# Altium PCB Copy of Mother_board_SSL2018.PcbDoc (part 2 of 2)
Units mm, origin at the board's own origin, x right, y up, seen from the top; angles counter-clockwise.
Board outline 169 x 150.57 mm, 2 copper layers (Top Layer, Bottom Layer), stack 1.57 mm thick; 99 components, 102 nets, 439 pads, 117 vias.
Unrouted connection lines stored in the file: 4.
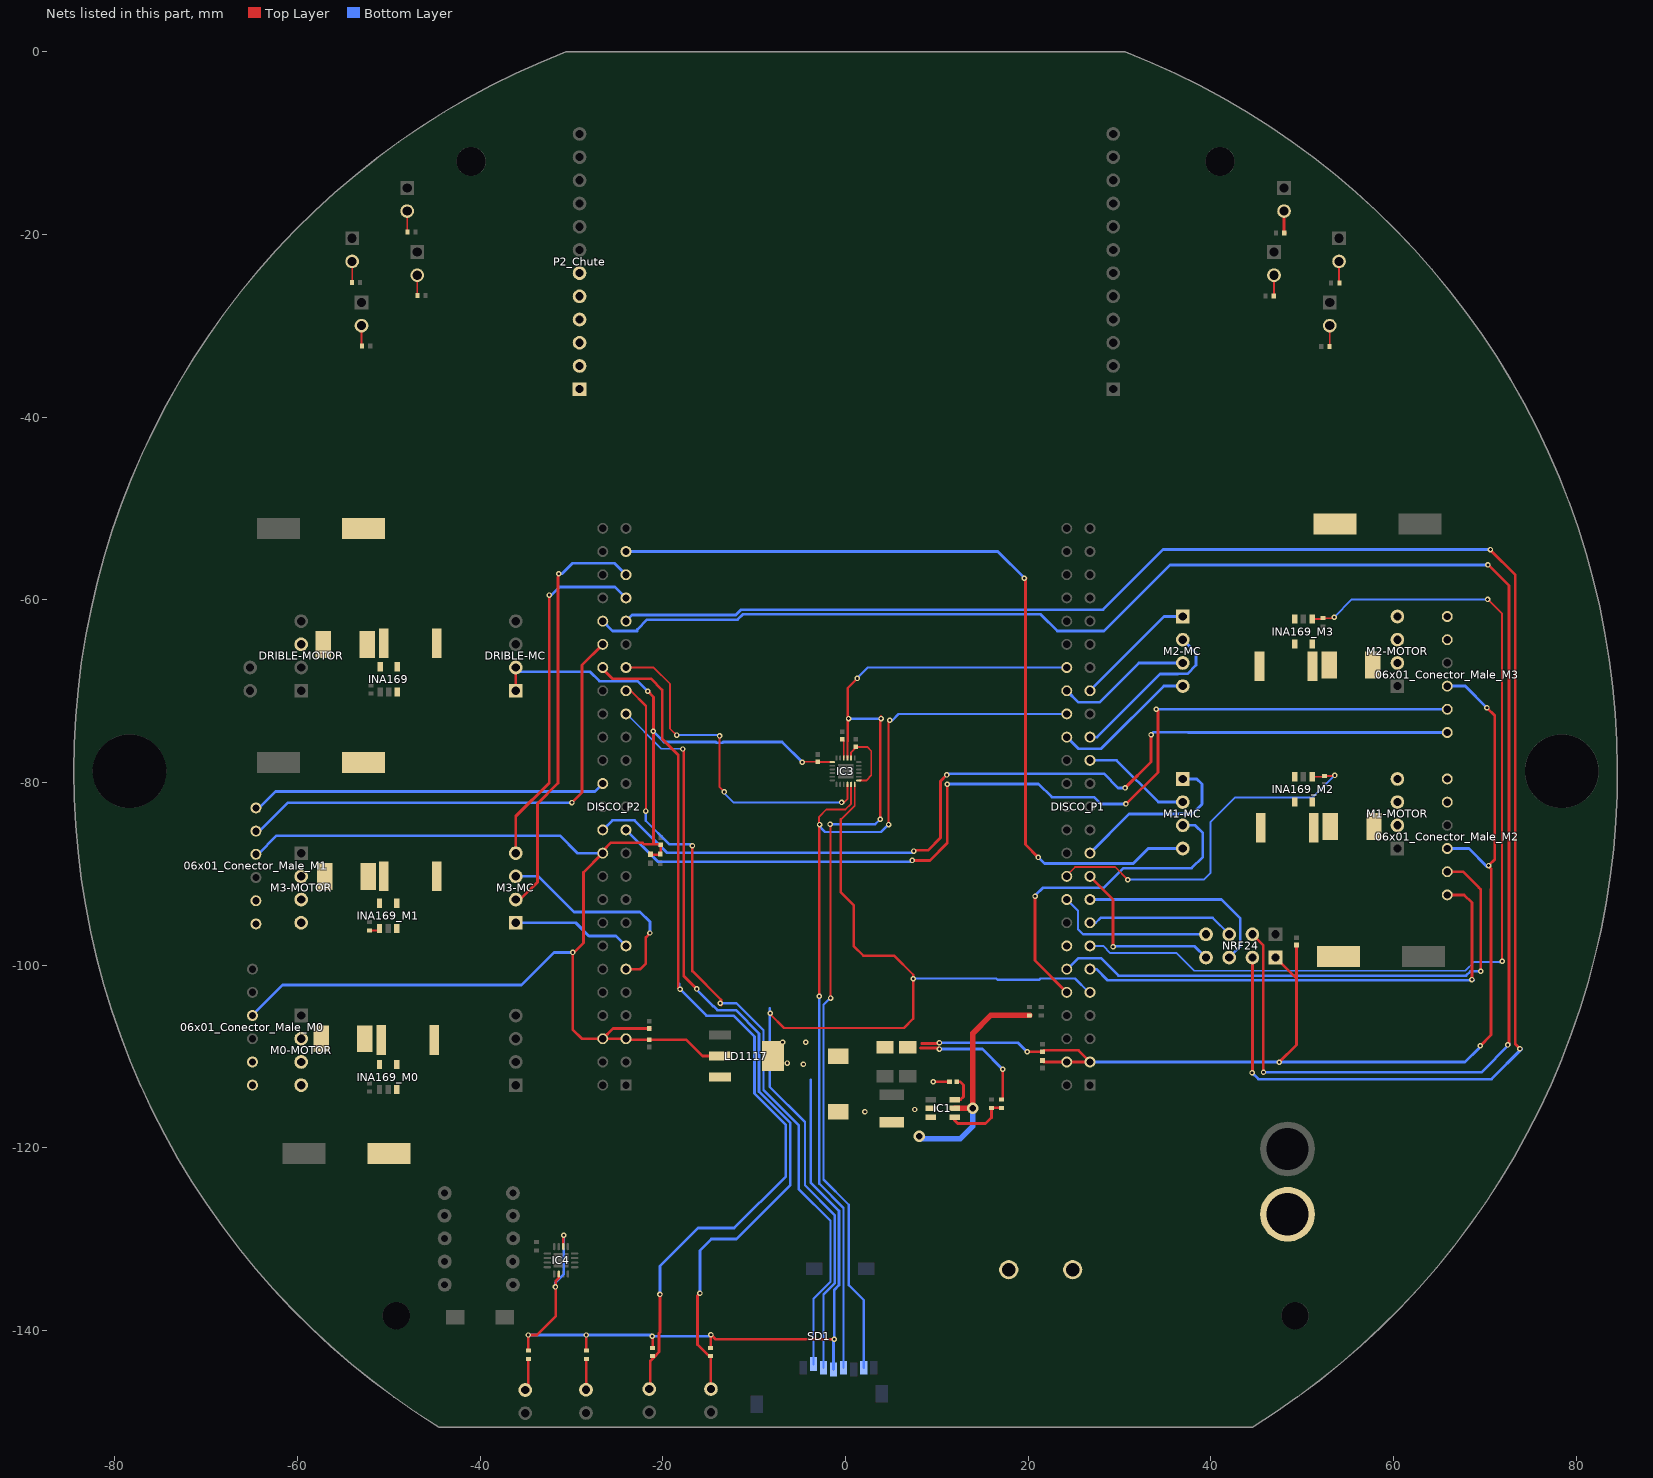
[diagram p2: the nets of this part, all layers, seen from the top]

## Via types
v1: diameter 0.6, hole 0.3, Top Layer to Bottom Layer, 115 vias
v2: diameter 1.27, hole 0.711, Top Layer to Bottom Layer, 2 vias

## Nets (pads, with @x,y where several pads share a name; then routed paths per layer and width w, separated by ;. In a path a pad name is that pad's centre, name@x,y a point inside that pad or via, vN(x,y) a via of type N, cw(c..) or ccw(c..) an arc to the next point about the centre after c; other vN are vias at no path point) (continued)
M1_CUR: DISCO_P1.14 INA169_M1.1 R10_M1.2 | length 1.2
  Top Layer w0.2: R10_M1.2@-52.115,-96.182 -51.251,-96.182 INA169_M1.1@-51.033,-95.964
M1_ENCA: 06x01_Conector_Male_M1.2 DISCO_P2.40 | length 54.5
  Top Layer w0.3: v1(-29.963,-82.196) -28.863,-81.096 -28.863,-67.146 DISCO_P2.40@-26.588,-64.871
  Bottom Layer w0.3: 06x01_Conector_Male_M1.2@-64.561,-85.318 -64.185,-85.318 -61.088,-82.221 v1@-30.038,-82.221
M1_ENCB: 06x01_Conector_Male_M1.1 DISCO_P2.28 | length 39.1
  Bottom Layer w0.3: 06x01_Conector_Male_M1.1@-64.561,-82.778 -64.22,-82.778 -62.413,-80.971 -27.448,-80.971 DISCO_P2.28@-26.588,-80.111
M1_MAH: DISCO_P2.43 M3-MC.0 | length 39.1
  Top Layer w0.3: M3-MC.0@-36.113,-87.731 -36.113,-83.696 -32.438,-80.021 v1(-32.438,-59.471) v1@-32.438,-59.396
  Bottom Layer w0.3: v1(-32.438,-59.471) -32.213,-59.471 -31.338,-58.596 -25.243,-58.596 DISCO_P2.43@-24.048,-59.791
M1_MAL: DISCO_P2.11 M3-MC.1 | length 23.9
  Top Layer w0.3: DISCO_P2.11@-24.048,-100.431 -22.475,-100.431 -22.475,-100.425 -21.875,-99.825 -21.875,-96.95 v1@-21.45,-96.525
  Bottom Layer w0.3: M3-MC.1@-36.113,-90.271 -33.638,-90.271 -29.738,-94.171 -22.5,-94.171 -21.425,-95.246 v1(-21.425,-96.475)
M1_MBH: DISCO_P2.45 M3-MC.2 | length 45.9
  Top Layer w0.3: M3-MC.2@-36.113,-92.811 -35.628,-92.811 -33.738,-90.921 -33.738,-82.321 -31.488,-80.071 -31.488,-57.496
  Bottom Layer w0.3: v1(-31.413,-57.146) -31.063,-57.146 -29.913,-55.996 -25.303,-55.996 DISCO_P2.45@-24.048,-57.251
M1_MBL: DISCO_P2.13 M3-MC.3 | length 13.1
  Bottom Layer w0.32: M3-MC.3@-36.113,-95.351 -29.558,-95.351 -28.113,-96.796 -25.143,-96.796 DISCO_P2.13@-24.048,-97.891
M2_CUR: DISCO_P1.20 INA169_M2.1 R10_M2.2 | length 40.7
  Top Layer w0.2: DISCO_P1.20@24.212,-90.271 24.212,-90.163 25.125,-89.25 29.5,-89.25 v1(30.9,-90.65) ; INA169_M2.1@51.07,-79.371 52.315,-79.371 R10_M2.2@52.406,-79.28 v1@53.471,-79.28
  Bottom Layer w0.2: v1@31.025,-90.625 39.225,-90.625 39.95,-89.9 39.95,-84.3 42.6,-81.65 51.108,-81.65 v1(53.537,-79.221)
M2_ENCA: 06x01_Conector_Male_M2.2 DISCO_P1.12 | length 60.3
  Top Layer w0.3: 06x01_Conector_Male_M2.2@65.868,-89.763 67.604,-89.763 69.337,-91.496 69.325,-91.508 69.525,-91.708 v1(69.525,-100.675)
  Bottom Layer w0.3: DISCO_P1.12@24.212,-100.431 24.294,-100.431 25.5,-99.225 27.95,-99.225 29.871,-101.146 67.933,-101.146 68.405,-100.675 v1(69.525,-100.675)
M2_ENCB: 06x01_Conector_Male_M2.1 DISCO_P1.11 | length 54
  Top Layer w0.3: 06x01_Conector_Male_M2.1@65.868,-92.303 67.719,-92.303 68.567,-93.151 v1(68.567,-101.574)
  Bottom Layer w0.3: DISCO_P1.11@26.752,-100.431 27.447,-100.431 28.662,-101.646 v1@68.751,-101.646
M2_MAH: DISCO_P2.47 M1-MC.0 | length 92.9
  Top Layer w0.3: v1@19.737,-57.621 19.687,-57.671 19.687,-86.796 v1(21.087,-88.196)
  Bottom Layer w0.3: DISCO_P2.47@-24.048,-54.711 16.652,-54.711 v1(19.562,-57.621) ; v1@21.012,-88.096 21.787,-88.871 31.487,-88.871 33.135,-87.223 M1-MC.0@36.912,-87.223
M2_MAL: DISCO_P1.10 M1-MC.1 | length 37.2
  Top Layer w0.3: v1(20.737,-92.446) 20.737,-99.496 DISCO_P1.10@24.212,-102.971
  Bottom Layer w0.3: v1@20.787,-92.321 21.583,-91.525 28.25,-91.525 30.404,-89.371 37.887,-89.371 39.112,-88.146 39.112,-85.521 38.274,-84.683 M1-MC.1@36.912,-84.683
M2_MBH: DISCO_P1.29 M1-MC.2 | length 12.1
  Bottom Layer w0.3: DISCO_P1.29@26.752,-77.571 29.662,-77.571 34.234,-82.143 M1-MC.2@36.912,-82.143
M2_MBL: DISCO_P1.21 M1-MC.3 | length 19
  Bottom Layer w0.32: DISCO_P1.21@26.752,-87.731 31.037,-83.446 37.937,-83.446 39.012,-82.371 39.012,-80.171 38.444,-79.603 M1-MC.3@36.912,-79.603
M3_CUR: DISCO_P1.13 INA169_M3.1 R10_M3.2 | length 106.7
  Top Layer w0.2: INA169_M3.1@51.07,-62.099 52.188,-62.099 R10_M3.2@52.279,-62.008 v1@53.399,-62.008 ; v1@70.288,-59.938 71.875,-61.525 v1(71.875,-99.575)
  Bottom Layer w0.2: DISCO_P1.13@26.752,-97.891 28.202,-97.891 28.985,-98.675 36.25,-98.675 38.175,-100.6 67.843,-100.6 68.793,-99.65 71.575,-99.65 v1@71.625,-99.7 ; v1(53.487,-61.896) 55.433,-59.95 v1(70.275,-59.95)
M3_ENCA: 06x01_Conector_Male_M3.2 DISCO_P2.23 | length 108.4
  Top Layer w0.3: v1(7.3,-88.525) 9.225,-88.525 11.125,-86.625 v1(11.125,-80.2) ; v1@30.712,-82.371 34.187,-78.896 34.187,-72.146 v1(34.012,-71.971)
  Bottom Layer w0.3: DISCO_P2.23@-24.193,-85.296 DISCO_P2.23@-23.943,-85.296 ; DISCO_P2.23@-24.048,-85.191 DISCO_P2.23@-23.943,-85.296 ; v1(7.3,-88.525) 7.3,-88.533 7.158,-88.675 -20.564,-88.675 DISCO_P2.23@-23.943,-85.296 ; v1@11.125,-80.25 11.225,-80.15 21.125,-80.15 22.576,-81.601 27.187,-81.601 27.932,-82.346 v1(30.687,-82.346) ; v1(34.012,-71.971) 37.525,-71.971 37.537,-71.983 06x01_Conector_Male_M3.2@65.868,-71.983
M3_ENCB: 06x01_Conector_Male_M3.1 DISCO_P2.24 | length 106
  Top Layer w0.3: v1@7.675,-87.425 9,-87.425 10.375,-86.05 10.375,-79.858 v1(11.062,-79.171) ; v1@30.612,-80.571 33.437,-77.746 v1(33.437,-74.771)
  Bottom Layer w0.3: DISCO_P2.24@-26.588,-85.191 -25.538,-84.141 -23.113,-84.141 -19.579,-87.675 7.275,-87.675 v1(7.45,-87.5) ; v1@11.262,-79.096 11.333,-79.025 28.266,-79.025 29.837,-80.596 v1(30.587,-80.596) ; v1(33.437,-74.771) 33.712,-74.496 37.458,-74.496 37.485,-74.523 06x01_Conector_Male_M3.1@65.868,-74.523
M3_MAH: DISCO_P1.32 M2-MC.0 | length 16.1
  Bottom Layer w0.3: DISCO_P1.32@24.212,-75.031 25.487,-76.306 27.977,-76.306 34.84,-69.443 M2-MC.0@36.912,-69.443
M3_MAL: DISCO_P1.36 M2-MC.1 | length 15
  Bottom Layer w0.3: DISCO_P1.36@24.212,-69.951 25.482,-71.221 27.787,-71.221 32.105,-66.903 M2-MC.1@36.912,-66.903
M3_MBH: DISCO_P1.31 M2-MC.2 | length 18.3
  Bottom Layer w0.3: DISCO_P1.31@26.752,-75.031 27.527,-75.031 34.437,-68.121 36.397,-68.121 36.415,-68.103 37.409,-68.103 38.362,-67.151 38.362,-65.813 M2-MC.2@36.912,-64.363
M3_MBL: DISCO_P1.35 M2-MC.3 | length 13.5
  Bottom Layer w0.3: DISCO_P1.35@26.752,-69.951 26.752,-69.931 34.86,-61.823 M2-MC.3@36.912,-61.823
MA_M0: 06x01_Conector_Male_M0.5 M0-MOTOR.1
MA_M1: 06x01_Conector_Male_M1.5 M3-MOTOR.1
MA_M2: 06x01_Conector_Male_M2.5 M1-MOTOR.1
MA_M3: 06x01_Conector_Male_M3.5 M2-MOTOR.1
MB_M0: 06x01_Conector_Male_M0.6 M0-MOTOR.0
MB_M1: 06x01_Conector_Male_M1.6 M3-MOTOR.0
MB_M2: 06x01_Conector_Male_M2.6 M1-MOTOR.0
MB_M3: 06x01_Conector_Male_M3.6 M2-MOTOR.0
MPU_CS: DISCO_P2.37 IC3.22 | length 38.4
  Top Layer w0.2: DISCO_P2.37@-24.048,-67.411 -21.023,-67.411 -19.225,-69.209 -19.225,-74.1 v1@-18.438,-74.887 ; v1(-13.8,-74.9) -13.8,-80.525 v1(-13.3,-81.025) ; v1(-0.45,-82.175) -0.143,-82.175 0.2,-81.832 IC3.22@0.2,-80.214
  Bottom Layer w0.2: v1(-18.476,-74.804) -13.896,-74.804 v1(-13.8,-74.9) ; v1@-13.4,-81.075 -12.3,-82.175 v1(-0.45,-82.175)
NetBAT_0: BAT.0 SW.0
NetC1_1: C1.1 IC1.6 | length 3.3
  Top Layer w0.3: IC1.6@11.923,-114.721 12.589,-114.721 12.909,-114.401 12.909,-113.131 12.528,-112.75 C1.1@12.166,-112.75
NetC1_2: C1.2 IC1.2 L1.1 | length 1.8
  Top Layer w0.3: v1(9.607,-112.75) C1.2@11.366,-112.75
  other v1: 2.114,-116.052 7.575,-115.798
NetC1_M0_2: FM_M0.1 M0-MOTOR.2
NetC1_M1_2: FM_M1.1 M3-MOTOR.2
NetC1_M2_2: FM_M2.1 M1-MOTOR.2
NetC1_M3_2: FM_M3.1 M2-MOTOR.2
NetC5_1: C5.1 IC3.10 | length 2
  Top Layer w0.2: IC3.10@-0.2,-77.318 C5.1@-0.2,-75.325
NetC7_1: C7.1 IC3.1 IC3.8 | length 7.5
  Top Layer w0.2: IC3.8@0.6,-77.314 0.6,-76.697 1.197,-76.1 2.35,-76.1 2.8,-76.55 2.8,-79.225 2.3,-79.765 IC3.1@1.5,-79.765
NetCON_DM_1: DF.1 DRIBLE-MOTOR.1
NetDF_2: DF.2 INA169.5 RD1.1
NetFM_M0_2: FM_M0.2 INA169_M0.5 R11_M0.1
NetFM_M1_2: FM_M1.2 INA169_M1.5 R11_M1.1
NetFM_M2_2: FM_M2.2 INA169_M2.5 R11_M2.1
NetFM_M3_2: FM_M3.2 INA169_M3.5 R11_M3.1
NetIC1_4: IC1.4 R1.1 R2.2 | length 7
  Top Layer w0.3: IC1.4@11.923,-116.621 11.923,-116.971 12.274,-117.322 15.322,-117.322 15.957,-116.687 R2.2@15.957,-115.613 R1.1@17.061,-115.613
NetLED1_2: LED1.2 RL1.2 | length 3.4
  Top Layer w0.3: LED1.2@-34.737,-146.455 RL1.2@-34.737,-143.095
NetLED2_2: LED2.2 RL2.2 | length 3.4
  Top Layer w0.3: LED2.2@-28.387,-146.455 RL2.2@-28.387,-143.095
NetLED_BALL_L_2: LED_BALL_L.2 R29.2 | length 2.3
  Top Layer w0.2: R29.2@52.975,-32.25 53,-32.225 LED_BALL_L.2@53,-29.983
NetLED_BALL_R_2: LED_BALL_R.2 R30.2 | length 2.3
  Top Layer w0.2: LED_BALL_R.2@-53,-29.983 -53,-32.175 R30.2@-52.95,-32.225
NetLED_COM_L_2: LED_COM_L.2 R31.2 | length 2.4
  Top Layer w0.3: LED_COM_L.2@48,-17.441 48,-19.7 R31.2@48.125,-19.825
NetLED_COM_R_2: LED_COM_R.2 R32.2 | length 2.3
  Top Layer w0.2: LED_COM_R.2@-48,-17.441 -48,-19.7 R32.2@-47.975,-19.725
NetLED_GREEN_L_2: LED_GRE_L.2 R33.2 | length 2.3
  Top Layer w0.2: R33.2@46.875,-26.75 46.9,-26.725 LED_GRE_L.2@46.9,-24.46
NetLED_GREEN_R_2: LED_GRE_R.2 R34.2 | length 2.3
  Top Layer w0.2: LED_GRE_R.2@-46.9,-24.46 -46.9,-26.675 R34.2@-46.875,-26.7
NetLED_ORANGE_L_2: LED_ORA_L.2 R35.2 | length 2.4
  Top Layer w0.2: LED_ORA_L.2@54.025,-22.945 54.025,-25.275 R35.2@54.05,-25.3
NetLED_ORANGE_R_2: LED_ORA_R.2 R36.2 | length 2.3
  Top Layer w0.2: R36.2@-54.05,-25.275 -54.025,-25.25 LED_ORA_R.2@-54.025,-22.945
NRF_CE: DISCO_P2.42 NRF24.2 | length 199.5
  Top Layer w0.3: NRF24.2@44.532,-96.621 45.732,-97.821 v1@45.732,-111.851 ; v1@70.363,-56.188 72.625,-58.45 72.625,-108.6 v1(72.5,-108.725)
  Bottom Layer w0.3: DISCO_P2.42@-26.588,-62.331 -25.519,-63.4 -22.8,-63.4 -22.8,-63.225 -21.746,-62.171 -11.82,-62.171 -11.224,-61.575 21.35,-61.575 23.175,-63.4 28.275,-63.4 35.5,-56.175 v1(70.325,-56.175) ; v1(45.75,-111.725) 69.6,-111.725 v1@72.7,-108.625
NRF_CS#: DISCO_P2.41 NRF24.6 | length 197.6
  Top Layer w0.3: v1@44.532,-111.725 NRF24.6@44.532,-99.161 ; v1@70.563,-54.512 70.575,-54.525 73.325,-57.275 73.325,-108.65 v1(73.825,-109.15)
  Bottom Layer w0.3: DISCO_P2.41@-24.048,-62.331 -23.388,-61.671 -12.027,-61.671 -11.431,-61.075 28.175,-61.075 34.75,-54.5 v1(70.6,-54.5) ; v1(44.5,-111.775) 45.2,-112.475 70.7,-112.475 v1@74.025,-109.15
NRF_IRQ: DISCO_P1.19 NRF24.4 | length 19.4
  Top Layer w0.3: DISCO_P1.19@26.752,-90.271 29.275,-92.794 v1(29.275,-97.975)
  Bottom Layer w0.3: v1@29.337,-97.871 29.387,-97.921 38.212,-97.921 NRF24.4@39.452,-99.161
S1: DISCO_P2.33 RS1.1 SEN1.2 | length 90.4
  Top Layer w0.2: v1(-17.826,-76.329) v1@-17.725,-76.43
  Top Layer w0.3: v1@-17.725,-76.43 -17.725,-90.459 -17.725,-101.175 v1(-16.3,-102.6) ; v1@-15.975,-135.95 -16.207,-136.182 -16.207,-141.543 -14.925,-142.825 -14.809,-142.825 RS1.1@-14.775,-142.791 SEN1.2@-14.775,-146.278
  Bottom Layer w0.2: DISCO_P2.33@-24.048,-72.491 -23.993,-72.491 -20.188,-76.296 v1@-17.725,-76.296
  Bottom Layer w0.3: v1@-16.275,-102.675 -16.275,-102.725 -14.514,-104.486 -14.475,-104.486 -14.036,-104.925 -12.025,-104.925 -9.477,-107.473 -9.477,-113.848 -6.05,-117.275 -6.05,-124.075 -11.95,-129.975 -14.7,-129.975 -15.95,-131.225 v1(-15.95,-135.925)
S2: DISCO_P2.38 RS2.1 SEN2.2 | length 101
  Top Layer w0.3: DISCO_P2.38@-26.588,-67.411 -26.588,-67.587 -25.55,-68.625 -21.325,-68.625 -20.088,-69.862 -20.088,-75.207 -18.325,-76.97 -18.325,-102.425 v1(-18.125,-102.625) ; SEN2.2@-21.382,-146.276 -21.382,-143.325 -21.15,-143.125 ; RS2.1@-21.125,-142.791 -21.15,-143.125 ; v1(-20.325,-136.05) v1@-20.325,-136.125 ; v1@-20.2,-136 v1@-20.325,-136.125 ; -21.15,-143.125 -20.973,-142.929 -20.432,-142.331 -20.425,-142.324 -20.425,-140.314 -20.432,-140.307 -20.325,-140.2 v1@-20.325,-136.125
  Bottom Layer w0.3: v1(-20.325,-136.05) -20.325,-132.925 -16.175,-128.775 -12.2,-128.775 -6.55,-123.125 -6.55,-117.482 -9.988,-114.045 -9.988,-107.805 -12.268,-105.525 -15.225,-105.525 v1(-18.125,-102.625) -18.25,-102.5 -18.25,-102.025
SPI1_MISO: DISCO_P1.18 NRF24.0 | length 18
  Bottom Layer w0.255: DISCO_P1.18@24.212,-92.811 25.437,-94.036 25.437,-96.071 25.987,-96.621 NRF24.0@39.452,-96.621
SPI1_MOSI: DISCO_P1.17 NRF24.5 | length 22.1
  Bottom Layer w0.3: DISCO_P1.17@26.752,-92.811 41.152,-92.811 43.192,-94.851 43.192,-97.961 NRF24.5@41.992,-99.161
SPI1_SCK: DISCO_P1.15 NRF24.1 | length 16.2
  Bottom Layer w0.255: DISCO_P1.15@26.752,-95.351 27.382,-95.351 27.912,-94.821 40.192,-94.821 NRF24.1@41.992,-96.621
SPI2.MISO: DISCO_P1.38 IC3.9 SD1.7 | length 114.4
  Top Layer w0.2: IC3.9@0.2,-77.318 IC3.9@0.2,-77.314 0.2,-75.5
  Top Layer w0.255: v1(-1.65,-103.6) v1@-1.65,-84.55 ; 0.228,-75.5 0.228,-69.648 v1(1.275,-68.6) ; v1(3.8,-84.025) 3.8,-72.825 v1@3.875,-72.75
  Bottom Layer w0.255: v1(-1.7,-84.575) 3.225,-84.575 v1@3.725,-84.075 ; v1@-1.625,-103.525 -2.42,-104.32 -2.42,-123.455 0.35,-126.225 0.35,-135.025 1.974,-136.649 SD1.7@1.974,-144.07 ; 0.65,-73 v1(3.875,-73) ; v1@1.35,-68.475 2.414,-67.411 DISCO_P1.38@24.212,-67.411
  other v1: 0.325,-73
SPI2.MOSI: DISCO_P1.9 IC3.24 SD1.3 | length 111.4
  Top Layer w0.2: -0.55,-84.025 -0.475,-84.025 1,-82.55 IC3.24@1,-80.214
  Top Layer w0.255: v1(-8.25,-105.25) -8.25,-105.375 -6.75,-106.875 6.375,-106.875 7.4,-105.85 v1(7.4,-101.475) 7.4,-101.05 5.3,-98.95 1.925,-98.95 0.875,-97.9 0.875,-93.4 -0.55,-91.975 -0.55,-84.025
  Bottom Layer w0.255: -8.325,-104.725 -8.325,-113.3 -4.45,-117.175 -4.45,-124.1 -1.208,-127.342 -1.208,-134.835 -2.426,-136.053 SD1.3@-2.426,-144.07 ; v1@7.3,-101.45 16.496,-101.45 16.621,-101.575 21.211,-101.575 21.327,-101.459 25.109,-101.459 26.621,-102.971 DISCO_P1.9@26.752,-102.971
SPI2.SCK: DISCO_P1.34 IC3.23 SD1.5 | length 107.4
  Top Layer w0.2: v1(-2.85,-84.6) -2.875,-84.575 -2.9,-84.55 -2.9,-83.75 -2.1,-82.95 -0.025,-82.95 0.6,-82.325 IC3.23@0.6,-80.214
  Top Layer w0.255: v1(-2.875,-103.4) -2.875,-84.575 v1@-2.875,-84.525 ; v1(4.7,-84.6) 4.7,-73.3 v1(4.825,-73.175)
  Bottom Layer w0.255: v1(-2.85,-84.6) -2.85,-84.825 -2.25,-85.425 3.875,-85.425 v1(4.7,-84.6) ; v1@-2.775,-103.3 v1(-2.875,-103.4) -2.875,-123.925 -0.226,-126.574 SD1.5@-0.226,-144.07 ; v1(4.825,-73.175) 5.116,-73.175 5.8,-72.491 DISCO_P1.34@24.212,-72.491
uSD_CS: DISCO_P2.35 SD1.2 | length 86.4
  Top Layer w0.255: DISCO_P2.35@-24.048,-69.951 -23.524,-69.951 -21.85,-71.625 v1@-21.85,-83.026 ; v1(-16.775,-86.925) -16.775,-100.645 -13.625,-103.795 v1@-13.625,-104.4
  Bottom Layer w0.255: v1(-21.875,-83.125) -21.875,-84.175 -19.275,-86.775 v1@-17.001,-86.775 ; v1(-13.725,-104.175) -11.95,-104.175 -9,-107.125 -9,-113.65 -5.15,-117.5 -5.15,-124.488 -1.663,-127.975 -1.663,-134.646 -3.526,-136.509 SD1.2@-3.526,-143.67
VBAT: C4.2 CD.1 CM1_M0.1 CM1_M1.1 CM1_M2.1 CM1_M3.1 IC1.3 IC1.5 INA169.3 INA169.4 INA169_M0.3 INA169_M0.4 INA169_M1.3 INA169_M1.4 INA169_M2.3 INA169_M2.4 INA169_M3.3 INA169_M3.4 LD1117.3 P2_Chute.1 P2_Chute.2 P2_Chute.3 P2_Chute.4 P2_Chute.5 P2_Chute.6 R3.2 R11_M0.2 R11_M1.2 R11_M2.2 R11_M3.2 RD1.2 SW.1 | length 25.7
  Top Layer w0.6: IC1.5@11.923,-115.671 v2(13.925,-115.671) 13.925,-107.45 15.886,-105.489 R3.2@20.148,-105.489
  Bottom Layer w0.6: v2(8.075,-118.746) 8.304,-118.975 12.575,-118.975 13.925,-117.625 v2(13.925,-115.671)
VCC: 06x01_Conector_Male_M0.3 06x01_Conector_Male_M1.3 06x01_Conector_Male_M2.3 06x01_Conector_Male_M3.3 C2.2 C3.2 C6.1 DISCO_P1.3 DISCO_P1.4 DISCO_P2.5 DISCO_P2.6 DISCO_P2.22 DRIBLE-MC.2 DRIBLE-MC.3 IC3.13 IC4.6 IC4.14 L1.2 LD1117.2 LD1117.4 MC_C1.2 MC_C2.2 MC_C3.1 MC_C4.2 MC_C5.2 MC_R1.2 MC_R2.2 NRF24.7 NRF_C1.1 R1.2 RL1.1 RL2.1 RS1.2 RS2.2 SD1.4 | length 421.5
  Top Layer w0.2: v1@-4.475,-77.725 C6.1@-3.05,-77.725 ; C6.1@-3,-77.764 IC3.13@-1.5,-77.764
  Top Layer w0.3: DRIBLE-MC.3@-36.113,-69.951 DRIBLE-MC.2@-36.113,-67.411 ; RL1.1@-34.737,-142.195 v1(-34.737,-140.486) -33.786,-140.486 -31.725,-138.425 -31.725,-134.57 -31.41,-134.255 IC4.14@-31.41,-133.808 ; IC4.6@-30.91,-130.808 v1@-30.91,-129.71 ; RL2.1@-28.387,-142.195 -28.387,-140.867 ; v1(-21.663,-69.996) -21.025,-70.634 -21.025,-86.771 ; MC_C4.2@-21.381,-106.927 MC_C4.2@-21.508,-106.927 -25.464,-106.927 DISCO_P2.6@-26.588,-108.051 ; MC_R2.2@-21.363,-87.846 -21.313,-87.896 -20.263,-87.896 -20.238,-87.871 MC_C1.2@-20.238,-86.821 -20.288,-86.771 -21.025,-86.771 ; RS2.2@-21.125,-141.891 v1@-21.125,-140.65 ; RS1.2@-14.775,-141.891 -14.775,-140.75 ; v1@-14.775,-140.4 -14.775,-140.75 ; v1(-14.75,-140.45) -14.25,-140.95 v1(-1.25,-140.95) ; v1@-14.65,-140.625 -14.775,-140.75 ; LD1117.2@-13.761,-109.942 -15.68,-109.942 -17.471,-108.151 -23.948,-108.151 DISCO_P2.5@-24.048,-108.051 DISCO_P2.6@-26.588,-108.051 ; 8.21,-109.067 v1@10.275,-109.067 ; 8.337,-108.559 v1@10.35,-108.559 ; R1.2@17.061,-114.713 17.2,-114.575 v1(17.2,-111.4) ; v1@20.025,-109.467 MC_C2.2@21.545,-109.467 21.691,-109.321 25.482,-109.321 DISCO_P1.3@26.752,-110.591 DISCO_P1.4@24.212,-110.591 21.691,-110.591 MC_C3.1@21.545,-110.445 ; NRF24.7@47.072,-99.161 49.358,-101.447 ; v1(47.462,-110.621) 49.358,-108.725 49.358,-101.447 ; NRF_C1.1@49.358,-97.783 49.358,-101.447 ; v1(69.487,-108.821) 70.662,-107.646 70.662,-91.671 70.687,-91.646 70.687,-89.446 70.387,-89.146 v1(70.387,-89.096) 71.062,-88.421 71.062,-72.671 v1(70.212,-71.821) ; DISCO_P2.6@-26.588,-108.051 -28.883,-108.051 -29.863,-107.071 v1(-29.863,-98.596) -29.725,-98.596 -28.688,-97.559 -28.688,-89.831 DISCO_P2.22@-26.588,-87.731 -26.588,-87.477 -25.699,-86.588 -22.27,-86.588 -22.087,-86.771 -21.488,-86.771 -21.025,-86.771
  Bottom Layer w0.3: 06x01_Conector_Male_M0.3@-64.942,-105.511 -64.942,-105.45 -61.663,-102.171 -35.488,-102.171 -32.588,-99.271 ; 06x01_Conector_Male_M1.3@-64.561,-87.858 -64.325,-87.858 -62.288,-85.821 -31.288,-85.821 -29.378,-87.731 DISCO_P2.22@-26.588,-87.731 ; DRIBLE-MC.2@-36.113,-67.411 -35.653,-67.871 -27.988,-67.871 -26.958,-68.901 -22.783,-68.901 v1@-21.763,-69.921 ; v1(-34.737,-140.486) v1(-28.387,-140.486) -21.314,-140.486 v1(-21.175,-140.625) -14.825,-140.625 v1@-14.725,-140.525 ; -32.563,-99.246 -31.913,-98.596 v1(-29.863,-98.596) ; v1(-31.775,-135.225) -31.775,-134.75 -30.85,-133.825 v1(-30.85,-129.575) ; -20.825,-74.65 -19.9,-75.575 -14.186,-75.575 -14.111,-75.65 -13.489,-75.65 -13.414,-75.575 -6.95,-75.575 v1(-4.75,-77.775) ; -3.825,-112.571 -3.825,-123.8 -0.73,-126.895 -0.73,-135.033 -1.25,-135.552 v1(-1.25,-140.95) ; SD1.4@-1.326,-144.27 v1@-1.326,-140.95 ; v1(10.275,-109.175) 14.975,-109.175 v1(17.2,-111.4) ; v1(10.275,-108.5) 18.9,-108.5 v1(19.875,-109.475) ; DISCO_P1.3@26.752,-110.591 67.817,-110.591 69.312,-109.096 ; 06x01_Conector_Male_M2.3@65.868,-87.223 68.239,-87.223 70.237,-89.221 70.362,-89.096 v1(70.387,-89.096) ; 06x01_Conector_Male_M3.3@65.868,-69.443 67.834,-69.443 v1(70.212,-71.821)
  other v1: -4.617,-110.845 -6.395,-110.718 -6.903,-108.432 -4.363,-108.432 -21.075,-74.4
pads on no net: DISCO_P1.6 DISCO_P1.24 DISCO_P1.25 DISCO_P1.26 DISCO_P1.27 DISCO_P1.28 DISCO_P1.30 DISCO_P1.33 DISCO_P1.37 DISCO_P1.41 DISCO_P1.43 DISCO_P1.48 DISCO_P2.3 DISCO_P2.4 DISCO_P2.7 DISCO_P2.8 DISCO_P2.9 DISCO_P2.10 DISCO_P2.16 DISCO_P2.17 DISCO_P2.18 DISCO_P2.21 DISCO_P2.27 DISCO_P2.29 DISCO_P2.30 DISCO_P2.31 DISCO_P2.32 DISCO_P2.34 DISCO_P2.36 DISCO_P2.39 IC3.2 IC3.3 IC3.4 IC3.5 IC3.6 IC3.7 IC3.14 IC3.15 IC3.16 IC3.17 IC3.19 IC3.21 IC4.2 IC4.7 SD1.1 SD1.8 SD1.M1 SD1.M2 SD1.M3 SD1.M4

## Polygon pours and split planes (outlines as drawn)
NetFM_M2_2 on Top Layer "Top Layer-No Net" (solid, remove dead copper, shelved, pour order 120): 54.565,-87.096 54.565,-81.437 50.374,-81.437 50.374,-83.215 50.374,-87.096
NetFM_M0_2 on Top Layer "Top Layer-No Net" (solid, remove dead copper, shelved, pour order 118): -49.956,-106.146 -49.956,-111.48 -51.354,-111.48 -54.005,-111.48 -54.005,-106.146
NetFM_M1_2 on Top Layer "Top Layer-No Net" (solid, remove dead copper, shelved, pour order 114): -49.829,-91.668 -49.829,-88.493 -53.766,-88.493 -53.766,-94.198 -49.829,-94.198
VCC on Top Layer "Top Layer-No Net" (solid, remove dead copper, shelved, pour order 76): 8.591,-107.543 8.591,-110.591 1.352,-110.591 1.352,-111.861 -10.205,-111.861 -10.205,-110.972 -15.539,-110.972 -15.539,-108.559 -10.205,-108.559 -10.205,-107.543
VBAT on Top Layer "Top Layer-No Net" (solid, remove dead copper, shelved, pour order 68): 10.242,-116.116 3.384,-116.116 3.384,-121.061 10.242,-121.061
NetBAT_0 on Top Layer "Top Layer-No Net" (solid, remove dead copper, shelved, pour order 64): 51.425,-131.7 52.5,-130.625 52.5,-124.505 51.687,-123.672 44.628,-123.672 43.803,-124.497 43.803,-126.622 39.068,-131.357 31.707,-138.327 24.659,-138.3 21.831,-138.3 20.596,-137.065 20.596,-130.588 14.627,-130.588 14.627,-137.038 13.609,-138.256 10.944,-138.246 10.944,-146.051 34.284,-146.051 48.939,-131.612 49.027,-131.7
VBAT on Top Layer "Top Layer-No Net" (solid, remove dead copper, shelved, pour order 44): 57.232,-53.822 56.724,-54.33 49.479,-54.33 49.479,-75.031 49.479,-89.255 50.591,-90.271 54.692,-90.271 54.692,-97.372 55.085,-97.764 56.978,-97.764 57.232,-98.018 57.232,-100.177 56.851,-100.558 51.529,-100.558 50.591,-99.621 50.591,-94.97 50.12,-94.589 38.563,-94.589 37.166,-95.986 37.166,-125.198 29.165,-133.226 29.165,-136.644 28.311,-137.925 22.024,-137.925 21.15,-137.051 21.15,-132.742 19.776,-130.931 15.544,-130.931 13.277,-133.198 -13.761,-133.226 -13.763,-133.197 -15.16,-131.8 -15.159,-123.926 -16.428,-122.656 -16.428,-122.531 -43.142,-122.531 -50.72,-122.531 -53.004,-122.531 -53.676,-121.92 -53.676,-118.872 -53.004,-118.2 -49.956,-118.2 -49.46,-117.703 -49.461,-80.619 -49.448,-80.619 -49.956,-80.111 -56.56,-80.111 -57.07,-79.603 -57.07,-76.047 -56.433,-75.418 -50.045,-75.418 -49.405,-74.777 -49.448,-54.945 -49.956,-54.33 -55.29,-54.33 -55.864,-53.757 -55.864,-50.713 -55.29,-50.139 -49.829,-50.139 -49.349,-49.631 -49.346,-45.718 -41.83,-38.201 -34.07,-38.201 -31.922,-36.077 -31.922,-23.977 -30.906,-22.961 -27.223,-22.961 -26.207,-23.977 -26.207,-40.995 -29.242,-44.03 -38.132,-44.03 -40.56,-46.458 -40.56,-82.651 -40.56,-114.401 -39.29,-115.671 -15.793,-115.671 -15.793,-111.099 -11.729,-111.099 -11.729,-115.671 -8.808,-118.592 -8.808,-125.323 -8.454,-125.65 5.16,-125.65 5.16,-121.061 8.97,-121.061 8.97,-125.65 25.688,-125.65 30.511,-120.827 30.563,-92.43 33.482,-89.511 39.45,-89.509 39.45,-52.971 42.386,-49.551 56.47,-49.551 57.232,-50.313
NetC1_2 on Top Layer "Top Layer-No Net" (solid, remove dead copper, shelved, pour order 27): 10.242,-114.909 10.242,-116.433 6.813,-116.433 6.813,-114.909
GND on Top Layer "Top Layer-No Net" (solid, remove dead copper, shelved, pour order 123): 91.522,4.09 86.422,-1.519 86.422,-161.541 -103.293,-161.541 -109.186,-155.061 -98.42,-143.221 -98.42,1.098
NetC1_M3_2 on Top Layer "Top Layer-No Net" (solid, remove dead copper, shelved, pour order 25): 62.292,-65.867 62.292,-68.407 59.244,-68.407 54.799,-68.407 54.799,-65.867 59.752,-65.867
MB_M2 on Top Layer "Top Layer-No Net" (solid, remove dead copper, shelved, pour order 22): 67.392,-78.335 62.312,-78.335 59.518,-78.335 59.518,-80.875 62.312,-80.875 62.328,-80.859 67.392,-80.859
MA_M2 on Top Layer "Top Layer-No Net" (solid, remove dead copper, shelved, pour order 21): 67.37,-80.947 62.29,-80.947 59.496,-80.947 59.496,-83.487 62.29,-83.487 67.37,-83.487
MA_M1 on Top Layer "Top Layer-No Net" (solid, remove dead copper, shelved, pour order 13): -66.783,-94.335 -66.783,-91.795 -61.703,-91.795 -58.782,-91.795 -58.782,-94.335 -61.703,-94.335
NetC1_M1_2 on Top Layer "Top Layer-No Net" (solid, remove dead copper, shelved, pour order 14): -61.513,-89.001 -61.513,-91.541 -59.608,-91.541 -54.782,-91.541 -54.782,-89.001 -59.608,-89.001
NetFM_M3_2 on Top Layer "Top Layer-No Net" (solid, remove dead copper, shelved, pour order 122): 54.147,-69.951 54.147,-64.236 50.224,-64.236 50.224,-69.951
NetC1_2 on Top Layer "Top Layer-No Net" (solid, remove dead copper, shelved, pour order 26): 3.257,-114.782 3.257,-117.322 -2.331,-117.322 -2.331,-114.782
MA_M3 on Top Layer "Top Layer-No Net" (solid, remove dead copper, shelved, pour order 23): 67.361,-63.347 62.281,-63.347 59.487,-63.347 59.487,-65.506 67.361,-65.506
MB_M3 on Top Layer "Top Layer-No Net" (solid, remove dead copper, shelved, pour order 24): 67.392,-60.682 62.312,-60.682 59.518,-60.682 59.518,-63.222 62.312,-63.222 67.392,-63.222
MB_M1 on Top Layer "Top Layer-No Net" (solid, remove dead copper, shelved, pour order 12): -66.72,-96.748 -66.72,-94.208 -61.64,-94.208 -58.719,-94.208 -58.719,-96.748 -61.64,-96.748
MA_M0 on Top Layer "Top Layer-No Net" (solid, remove dead copper, shelved, pour order 11): -67.228,-111.861 -67.228,-109.321 -62.148,-109.321 -59.227,-109.321 -59.227,-111.861 -62.148,-111.861
MB_M0 on Top Layer "Top Layer-No Net" (solid, remove dead copper, shelved, pour order 10): -67.228,-114.401 -67.228,-111.861 -62.148,-111.861 -59.227,-111.861 -59.227,-114.401 -62.148,-114.401
NetC1_M0_2 on Top Layer "Top Layer-No Net" (solid, remove dead copper, shelved, pour order 15): -62.148,-106.781 -62.148,-109.321 -59.608,-109.321 -55.163,-109.321 -55.163,-106.781 -59.608,-106.781
NetC1_M2_2 on Top Layer "Top Layer-No Net" (solid, remove dead copper, shelved, pour order 20): 62.586,-83.52 62.586,-86.06 60.046,-86.06 55.864,-86.06 55.864,-83.52 60.046,-83.52
NetCON_DM_1 on Top Layer "Top Layer-No Net" (solid, remove dead copper, shelved, pour order 1): -55.163,-63.601 -59.608,-63.601 -61.767,-63.601 -61.767,-66.141 -59.608,-66.141 -55.163,-66.141
DB on Top Layer "Top Layer-No Net" (solid, remove dead copper, shelved, pour order 2): -67.228,-71.221 -59.608,-71.221 -59.608,-68.681 -67.228,-68.681
DA on Top Layer "Top Layer-No Net" (solid, remove dead copper, shelved, pour order 3): -67.228,-68.681 -59.608,-68.681 -59.608,-66.141 -67.228,-66.141
NetDF_2 on Top Layer "Top Layer-No Net" (solid, remove dead copper, shelved, pour order 0): -53.575,-62.712 -53.575,-68.173 -49.892,-68.173 -49.892,-62.712
GND on Bottom Layer "Top Layer-No Net" (solid, remove dead copper, shelved, pour order 112): 118.446,11.837 118.446,-164.693 118.7,-164.947 113.747,-169.9 -103.804,-169.9 -103.804,-2.133 -94.406,7.265
MA_M2 on Bottom Layer "Top Layer-No Net" (solid, remove dead copper, shelved, pour order 19): 67.361,-81 62.281,-81 59.487,-81 59.487,-83.54 62.281,-83.54 67.361,-83.54
MB_M0 on Bottom Layer "Top Layer-No Net" (solid, remove dead copper, shelved, pour order 9): -67.228,-114.401 -67.228,-111.861 -62.148,-111.861 -58.54,-111.861 -58.54,-114.401 -62.148,-114.401
MB_M1 on Bottom Layer "Top Layer-No Net" (solid, remove dead copper, shelved, pour order 7): -67.228,-96.621 -67.228,-94.081 -62.148,-94.081 -58.54,-94.081 -58.54,-96.621 -62.148,-96.621
MA_M3 on Bottom Layer "Top Layer-No Net" (solid, remove dead copper, shelved, pour order 17): 67.392,-63.347 62.312,-63.347 59.518,-63.347 59.518,-65.887 62.312,-65.887 67.392,-65.887
MB_M3 on Bottom Layer "Top Layer-No Net" (solid, remove dead copper, shelved, pour order 16): 67.392,-60.68 62.312,-60.68 59.518,-60.68 59.518,-63.22 62.312,-63.22 67.392,-63.22
MB_M2 on Bottom Layer "Top Layer-No Net" (solid, remove dead copper, shelved, pour order 18): 67.376,-78.272 62.373,-78.272 59.502,-78.272 59.502,-80.873 62.312,-80.873 67.376,-80.873
DA on Bottom Layer "Top Layer-No Net" (solid, remove dead copper, shelved, pour order 5): -67.228,-66.143 -58.54,-66.143 -58.54,-68.683 -67.228,-68.683
NetBAT_0 on Bottom Layer "Top Layer-No Net" (solid, remove dead copper, shelved, pour order 28): 49.028,-131.725 52.35,-131.725 52.35,-123.672 43.911,-123.672 43.911,-126.089 31.493,-138.507 21.815,-138.542 20.482,-137.208 20.482,-132.509 19.466,-131.493 15.656,-131.493 14.64,-132.382 14.64,-137.208 13.497,-138.351 10.957,-138.351 10.957,-146.225 14.894,-146.209 28.229,-146.209 28.245,-146.225 34.604,-146.149
NetC1_2 on Bottom Layer "Top Layer-No Net" (solid, remove dead copper, shelved, pour order 70): 10.623,-111.861 10.623,-113.512 8.718,-113.512 8.718,-116.73 1.352,-116.73 1.352,-115.163 6.813,-115.163 6.813,-111.861 10.496,-111.861
VCC on Bottom Layer "Top Layer-No Net" (solid, remove dead copper, shelved, pour order 80): -3.728,-106.781 -7.538,-106.781 -7.538,-113.131 -3.728,-113.131
MA_M1 on Bottom Layer "Top Layer-No Net" (solid, remove dead copper, shelved, pour order 6): -67.228,-93.954 -67.228,-91.541 -62.148,-91.541 -58.54,-91.541 -58.54,-93.954
MA_M0 on Bottom Layer "Top Layer-No Net" (solid, remove dead copper, shelved, pour order 8): -67.182,-111.671 -67.182,-109.271 -58.494,-109.271 -58.494,-111.671 -62.102,-111.671
DB on Bottom Layer "Top Layer-No Net" (solid, remove dead copper, shelved, pour order 4): -67.228,-71.221 -58.54,-71.221 -58.54,-68.681 -67.228,-68.681

## Keep-outs
Keep-Out Layer:
  lines w0.05: -84.418,-78.841 -84.365,-75.859 -84.207,-72.881 -83.945,-69.91 -83.577,-66.95 -83.105,-64.004 -82.53,-61.078 -81.851,-58.173 -81.071,-55.294 -80.189,-52.445 -79.208,-49.628 -78.127,-46.848 -76.949,-44.108 -75.676,-41.411 -74.307,-38.761 -72.846,-36.16 -71.295,-33.613 -69.654,-31.122 -67.926,-28.69 -66.114,-26.321 -64.219,-24.018 -62.244,-21.783 -60.192,-19.619 -58.064,-17.528 -55.864,-15.514 -53.594,-13.579 -51.257,-11.726 -48.856,-9.955 -46.395,-8.271 -43.875,-6.675 -41.301,-5.168 -38.675,-3.754 -36.001,-2.433 -33.282,-1.207 -30.521,-0.078 30.685,-0.078 33.436,-1.203 36.145,-2.423 38.81,-3.739 41.427,-5.147 43.993,-6.647 46.504,-8.235 48.958,-9.911 51.352,-11.673 53.682,-13.517 55.946,-15.442 58.141,-17.446 60.264,-19.525 62.312,-21.678 64.284,-23.902 66.176,-26.194 67.987,-28.55 69.713,-30.969 71.353,-33.447 72.906,-35.982 74.368,-38.569 75.738,-41.206 77.015,-43.89 78.196,-46.616 79.281,-49.383 80.268,-52.186 81.155,-55.022 81.943,-57.888 82.629,-60.78 83.213,-63.693 83.694,-66.626 84.072,-69.574 84.346,-72.533 84.516,-75.5 84.581,-78.471 84.542,-81.442 84.398,-84.411 84.15,-87.372 83.798,-90.323 83.343,-93.26 82.784,-96.179 82.124,-99.076 81.361,-101.949 80.498,-104.792 79.536,-107.604 78.476,-110.38 77.318,-113.117 76.065,-115.812 74.718,-118.461 73.279,-121.061 71.749,-123.609 70.13,-126.101 68.425,-128.535 66.635,-130.908 64.763,-133.216 62.811,-135.457 60.782,-137.627 58.677,-139.726 56.5,-141.748 54.253,-143.693 51.939,-145.558 49.561,-147.34 47.122,-149.038 44.624,-150.648 -44.46,-150.648 -46.947,-149.045 -49.376,-147.355 -51.745,-145.582 -54.05,-143.726 -56.288,-141.791 -58.458,-139.779 -60.555,-137.692 -62.579,-135.532 -64.525,-133.304 -66.393,-131.008 -68.178,-128.649 -69.88,-126.228 -71.497,-123.75 -73.025,-121.216 -74.464,-118.63 -75.811,-115.996 -77.066,-113.316 -78.225,-110.593 -79.289,-107.832 -80.256,-105.035 -81.123,-102.207 -81.892,-99.349 -82.559,-96.466 -83.126,-93.562 -83.59,-90.64 -83.952,-87.703 -84.211,-84.755 -84.366,-81.8 -84.418,-78.841

## Other copper
Bottom Layer:
  pour cut-out: -11.2,-131.85 -11.2,-149.325 5.05,-149.325 5.05,-131.85

## Silkscreen, mask and mechanical layers (free items; w line width, h text height)
Top Overlay:
  text "ROBOIME" at -14.475,-59.8 h4.5
  text "2018" at -7.8,-66.05 h4.5
  text "100nF" at -19.6,-85.025 h1.2 r270
  text "100nF" at 19.767,-109.956 h1.2 r270
  text "100nF" at 29.8,-110.21 h1.2 r270
  text "330R" at -20.523,-142.926 h2
  text "330R" at -27.498,-143.026 h2
  text "330R" at -14.198,-143.026 h2
  text "330R" at -34.125,-143.2 h2
Bottom Overlay:
  text "Speacial thanks to: / Prof Paulo Rosa / (LR)^2 / De Lima" at -25.064,-9.499 h1.52 r180
  text "SE/3 IME" at -25.318,-21.31 h2 r180
  text "IME18 IME19" at -25.572,-25.882 h2 r180
Mechanical 1:
  the board outline again, w0.5